# Altium PCB Copy of pcb-4layer-1oz-1.6mm.PcbDoc (part 1 of 3) (continued)
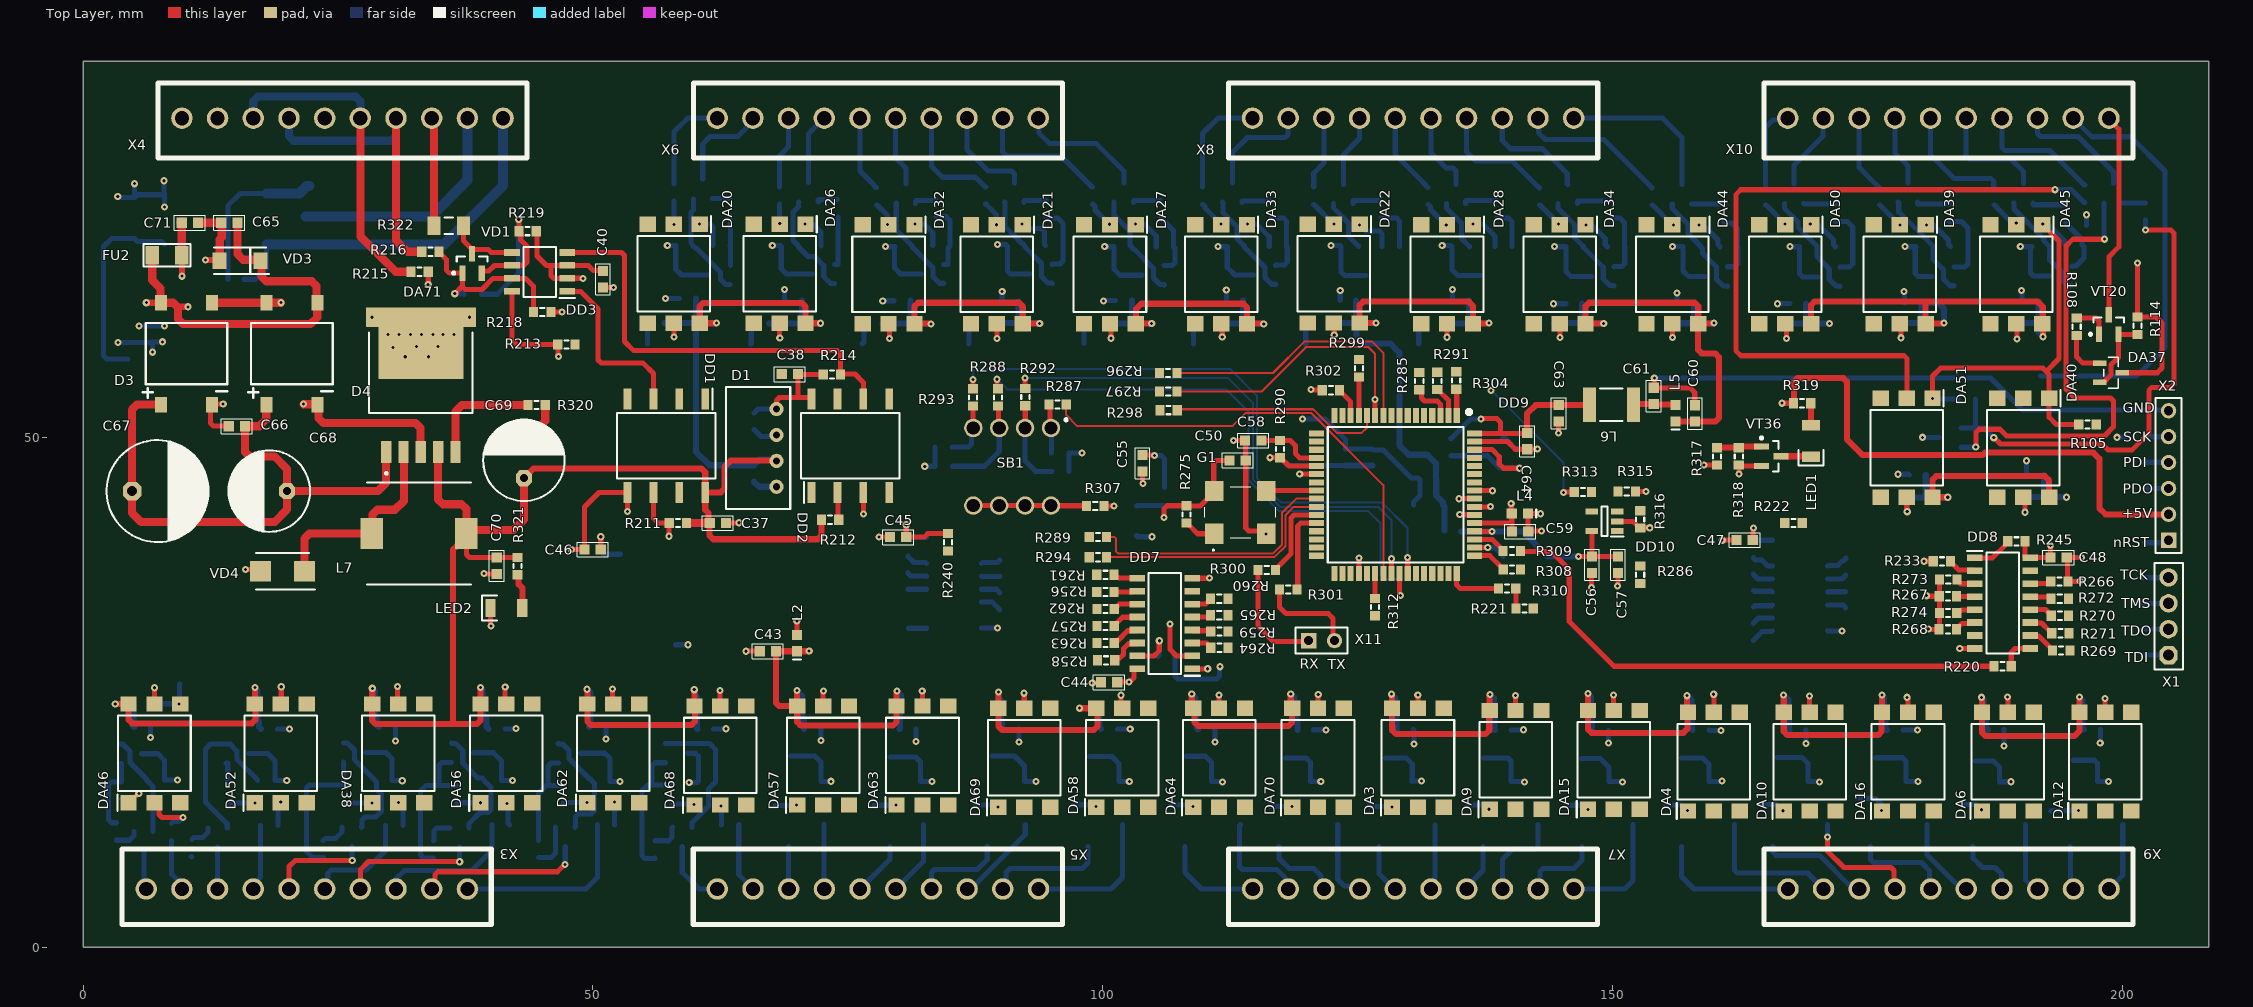
[diagram p0: Top Layer view]
## Components (designator, comment, footprint, x,y, rotation, side; value= is the part's Value field where it differs from the comment) (continued)
DA37 "TL431ACDBZR" SOT95P237X112-3N 198.891,56.334 r0 top
DA38 "H11L1SM" SOP254P1030X460-6N 30.908,19 r90 top
DA39 "H11L1SM" SOP254P1030X460-6N 178.178,66 r270 top
DA40 "H11L1SM" SOP254P1030X460-6N 190.29,48.966 r270 top
DA41 "TL431ACDBZR" SOT95P237X112-3N 160.187,65.755 r180 bottom
DA42 "TL431ACDBZR" SOT95P237X112-3N 193.965,65.822 r180 bottom
DA43 "TL431ACDBZR" SOT95P237X112-3N 4.643,18.961 r0 bottom
DA44 "H11L1SM" SOP254P1030X460-6N 155.877,66 r270 top
DA45 "H11L1SM" SOP254P1030X460-6N 189.615,66 r270 top
DA46 "H11L1SM" SOP254P1030X460-6N 7,19 r90 top
DA47 "TL431ACDBZR" SOT95P237X112-3N 171.233,65.741 r180 bottom
DA48 "TL431ACDBZR" SOT95P237X112-3N 183.113,49.968 r180 bottom
DA49 "TL431ACDBZR" SOT95P237X112-3N 15.115,18.972 r0 bottom
DA50 "H11L1SM" SOP254P1030X460-6N 166.941,66 r270 top
DA51 "H11L1SM" SOP254P1030X460-6N 178.847,48.966 r270 top
DA52 "H11L1SM" SOP254P1030X460-6N 19.386,19 r90 top
DA53 "TL431ACDBZR" SOT95P237X112-3N 37.225,19.058 r0 bottom
DA54 "TL431ACDBZR" SOT95P237X112-3N 68.284,18.731 r0 bottom
DA55 "TL431ACDBZR" SOT95P237X112-3N 97.632,18.682 r0 bottom
DA56 "H11L1SM" SOP254P1030X460-6N 41.516,19 r90 top
DA57 "H11L1SM" SOP254P1030X460-6N 72.583,18.794 r90 top
DA58 "H11L1SM" SOP254P1030X460-6N 101.918,18.578 r90 top
DA59 "TL431ACDBZR" SOT95P237X112-3N 47.695,19.015 r0 bottom
DA60 "TL431ACDBZR" SOT95P237X112-3N 78.063,18.66 r0 bottom
DA61 "TL431ACDBZR" SOT95P237X112-3N 107.133,18.714 r0 bottom
DA62 "H11L1SM" SOP254P1030X460-6N 52,19 r90 top
DA63 "H11L1SM" SOP254P1030X460-6N 82.329,18.794 r90 top
DA64 "H11L1SM" SOP254P1030X460-6N 111.417,18.578 r90 top
DA65 "TL431ACDBZR" SOT95P237X112-3N 58.199,19.021 r0 bottom
DA66 "TL431ACDBZR" SOT95P237X112-3N 88.06,18.737 r0 bottom
DA67 "TL431ACDBZR" SOT95P237X112-3N 116.861,18.554 r0 bottom
DA68 "H11L1SM" SOP254P1030X460-6N 62.502,18.794 r90 top
DA69 "H11L1SM" SOP254P1030X460-6N 92.311,18.578 r90 top
DA70 "H11L1SM" SOP254P1030X460-6N 121.12,18.578 r90 top
DA71 "LM2596S-5.0" KTT0005B 33.126,61.022 r270 top
DD1 "6N137SDM" SOP254P1030X508-8N 57.212,49.173 r270 top
DD2 "6N137SDM" SOP254P1030X508-8N 75.258,49.173 r90 top
DD3 "MAX13487EESA+" SOIC127P600X175-8N 44.778,66.221 r180 top
DD4 "74HC165D_BJ_" SOIC127P600X175-16N 85.421,35.732 r180 bottom
DD5 "74HC165D_BJ_" SOIC127P600X175-16N 168.394,35.459 r180 bottom
DD6 "74HC165D_BJ_" SOIC127P600X175-16N 55.402,34.088 r180 bottom
DD7 "74HC165D_BJ_" SOIC127P600X175-16N 106.093,31.735 r180 top
DD8 "74HC165D_BJ_" SOIC127P600X175-16N 188.262,33.735 r0 top
DD9 "ATMEGA64A-AU" QFP80P1600X1600X120-64N 128.725,44.382 r270 top
DD10 "STWD100NYWY3F" SOT95P280X145-5N 149.208,41.759 r180 top
FU1 ", 13, 0.75A, 1206," "FUSE: 1206" 22.202,73.189 r90 bottom
FU2 ", 13, 2.5A, 1206," "FUSE: 1206" 8.228,67.838 r180 top
G1 "16MGh" CSX750FBC14745600T 113.499,42.635 r0 top
L1 "BLM18PG330SN1D" INDC1608N 4.405,58.494 r90 bottom value="33 Ohm"
L2 "BLM18PG330SN1D" INDC1608N 70.03,29.82 r90 top value="33 Ohm"
L3 "BLM18PG330SN1D" INDC1608N 134.354,40.759 r0 bottom value="33 Ohm"
L4 "BLM18PG330SN1D" INDC1608N 140.925,42.535 r180 top value="33 Ohm"
L5 "BLM18PG330SN1D" INDC1608N 156.189,52.355 r90 top value="33 Ohm"
L6 "L1812" INDC4532AN 149.902,53.197 r180 top value=10mk
L7 "Fixed inductor, 33μH, ±20%, CDRH104RNP-330NC, 2.2A, -55...+125°C" INDPM102100X400N 32.948,40.559 r180 top value=33μH
LED1 "LTST-C150KSKT" LEDC3216X110N 169.458,49.636 r90 top
LED2 "LTST-C150KSKT" LEDC3216X110N 41.516,33.265 r0 top
R1 "R0603" RESC1608N 126.14,14.766 r270 bottom value=1k
R2 "R0603" RESC1608N 155.218,14.78 r270 bottom value=1k
R3 "R0603" RESC1608N 124.568,9.648 r270 bottom value=22
R4 "R0603" RESC1608N 154.207,9.588 r90 bottom value=22
R5 "R0603" RESC1608N 184.178,14.825 r270 bottom value=1k
R6 "R0603" RESC1608N 131.729,12.003 r0 bottom value=22
R7 "R0603" RESC1608N 161.103,12.003 r0 bottom value=22
R8 "R0603" RESC1608N 182.8,9.617 r90 bottom value=22
R9 "R0603" RESC1608N 129.515,16.225 r180 bottom value=150
R10 "R0603" RESC1608N 158.608,16.225 r180 bottom value=150
R11 "R0603" RESC1608N 129.515,23.438 r180 bottom value=10k
R12 "R0603" RESC1608N 158.608,23.27 r180 bottom value=10k
R13 "R0603" RESC1608N 189.644,12.003 r0 bottom value=22
R14 "R0603" RESC1608N 187.122,16.225 r180 bottom value=150
R15 "R0603" RESC1608N 163.339,25.806 r0 bottom value=22
R16 "R0603" RESC1608N 134.354,25.806 r0 bottom value=22
R17 "R0603" RESC1608N 187.335,23.27 r180 bottom value=10k
R18 "R0603" RESC1608N 135.759,14.794 r270 bottom value=1k
R19 "R0603" RESC1608N 164.631,14.821 r270 bottom value=1k
R20 "R0603" RESC1608N 192.176,25.806 r0 bottom value=22
R21 "R0603" RESC1608N 134.782,9.63 r90 bottom value=22
R22 "R0603" RESC1608N 163.213,9.587 r90 bottom value=22
R23 "R0603" RESC1608N 141.859,12.003 r0 bottom value=22
R24 "R0603" RESC1608N 170.231,12.019 r0 bottom value=22
R25 "R0603" RESC1608N 139.207,16.225 r180 bottom value=150
R26 "R0603" RESC1608N 168.312,16.225 r180 bottom value=150
R27 "R0603" RESC1608N 192.977,14.182 r270 bottom value=1k
R28 "R0603" RESC1608N 139.207,23.27 r180 bottom value=10k
R29 "R0603" RESC1608N 168.144,23.27 r180 bottom value=10k
R30 "R0603" RESC1608N 192.218,9.632 r90 bottom value=22
R31 "R0603" RESC1608N 143.861,25.806 r0 bottom value=22
R32 "R0603" RESC1608N 172.708,25.806 r0 bottom value=22
R33 "R0603" RESC1608N 199.201,12.003 r0 bottom value=22
R34 "R0603" RESC1608N 196.702,16.225 r180 bottom value=150
R35 "R0603" RESC1608N 145.411,14.759 r270 bottom value=1k
R36 "R0603" RESC1608N 174.299,15.42 r270 bottom value=1k
R37 "R0603" RESC1608N 144.469,9.601 r90 bottom value=22
R38 "R0603" RESC1608N 172.806,9.595 r90 bottom value=22
R39 "R0603" RESC1608N 196.925,23.27 r180 bottom value=10k
R40 "R0603" RESC1608N 201.709,25.806 r0 bottom value=22
R41 "R0603" RESC1608N 151.183,12.003 r0 bottom value=22
R42 "R0603" RESC1608N 180.024,12.003 r0 bottom value=22
R43 "R0603" RESC1608N 148.796,16.225 r180 bottom value=150
R44 "R0603" RESC1608N 177.945,16.225 r180 bottom value=150
R45 "R0603" RESC1608N 177.47,23.27 r180 bottom value=10k
R46 "R0603" RESC1608N 148.796,23.27 r180 bottom value=10k
R47 "R0603" RESC1608N 182.349,25.806 r0 bottom value=22
R48 "R0603" RESC1608N 153.518,25.806 r0 bottom value=22
R49 "R0603" RESC1608N 62.626,68.821 r180 bottom value=1k
R50 "R0603" RESC1608N 95.262,68.814 r180 bottom value=1k
R51 "R0603" RESC1608N 128.25,68.697 r180 bottom value=1k
R52 "R0603" RESC1608N 63.506,72.571 r90 bottom value=22
R53 "R0603" RESC1608N 94.484,72.371 r90 bottom value=22
R54 "R0603" RESC1608N 127.313,72.371 r90 bottom value=22
R55 "R0603" RESC1608N 57.938,74 r90 bottom value=22
R56 "R0603" RESC1608N 88.529,73.702 r90 bottom value=22
R57 "R0603" RESC1608N 120.687,73.68 r90 bottom value=22
R58 "R0603" RESC1608N 58.982,68.814 r0 bottom value=150
R59 "R0603" RESC1608N 91.5,68.745 r0 bottom value=150
R60 "R0603" RESC1608N 124.225,68.704 r0 bottom value=150
R61 "R0603" RESC1608N 88.351,61.194 r0 bottom value=10k
R62 "R0603" RESC1608N 56.187,61.183 r0 bottom value=10k
R63 "R0603" RESC1608N 121.312,61.208 r0 bottom value=10k
R64 "R0603" RESC1608N 56.19,59.155 r0 bottom value=22
R65 "R0603" RESC1608N 87.729,59.155 r0 bottom value=22
R66 "R0603" RESC1608N 120.766,59.155 r0 bottom value=22
R67 "R0603" RESC1608N 73.21,68.745 r180 bottom value=1k
R68 "R0603" RESC1608N 106.106,68.687 r180 bottom value=1k
R69 "R0603" RESC1608N 139.315,68.704 r180 bottom value=1k
R70 "R0603" RESC1608N 74.033,72.474 r90 bottom value=22
R71 "R0603" RESC1608N 105.669,72.371 r90 bottom value=22
R72 "R0603" RESC1608N 138.626,72.371 r90 bottom value=22
R73 "R0603" RESC1608N 68.319,73.702 r90 bottom value=22
R74 "R0603" RESC1608N 99.005,73.702 r90 bottom value=22
R75 "R0603" RESC1608N 69.327,68.706 r0 bottom value=150
R76 "R0603" RESC1608N 101.976,68.687 r0 bottom value=150
R77 "R0603" RESC1608N 131.908,73.667 r90 bottom value=22
R78 "R0603" RESC1608N 135.113,68.687 r0 bottom value=150
R79 "R0603" RESC1608N 66.428,61.175 r0 bottom value=10k
R80 "R0603" RESC1608N 99.418,61.159 r0 bottom value=10k
R81 "R0603" RESC1608N 132.416,61.146 r0 bottom value=10k
R82 "R0603" RESC1608N 66.331,59.155 r0 bottom value=22
R83 "R0603" RESC1608N 99.005,59.155 r0 bottom value=22
R84 "R0603" RESC1608N 131.808,59.155 r0 bottom value=22
R85 "R0603" RESC1608N 84.189,68.814 r180 bottom value=1k
R86 "R0603" RESC1608N 117.192,68.704 r180 bottom value=1k
R87 "R0603" RESC1608N 150.334,68.687 r180 bottom value=1k
R88 "R0603" RESC1608N 83.658,72.481 r90 bottom value=22
R89 "R0603" RESC1608N 116.52,72.341 r90 bottom value=22
R90 "R0603" RESC1608N 149.91,72.371 r90 bottom value=22
R91 "R0603" RESC1608N 77.827,73.642 r90 bottom value=22
R92 "R0603" RESC1608N 109.802,73.681 r90 bottom value=22
R93 "R0603" RESC1608N 142.85,73.627 r90 bottom value=22
R94 "R0603" RESC1608N 80.493,68.687 r0 bottom value=150
R95 "R0603" RESC1608N 113.073,68.687 r0 bottom value=150
R96 "R0603" RESC1608N 146.284,68.687 r0 bottom value=150
R97 "R0603" RESC1608N 110.267,61.174 r0 bottom value=10k
R98 "R0603" RESC1608N 143.4,61.224 r0 bottom value=10k
R99 "R0603" RESC1608N 77.58,61.157 r0 bottom value=10k
R100 "R0603" RESC1608N 109.75,59.155 r0 bottom value=22
R101 "R0603" RESC1608N 142.615,59.155 r0 bottom value=22
R102 "R0603" RESC1608N 77.239,59.155 r0 bottom value=22
R103 "R0603" RESC1608N 25.748,15.011 r270 bottom value=1k
R104 "R0603" RESC1608N 184.018,68.703 r180 bottom value=1k
R105 "R0603" RESC1608N 196.59,51.264 r180 top value=1k
R106 "R0603" RESC1608N 23.558,9.615 r90 bottom value=22
R107 "R0603" RESC1608N 183.057,72.022 r90 bottom value=22
R108 "R0603" RESC1608N 195.528,60.843 r90 top value=22
R109 "R0603" RESC1608N 30.523,11.938 r180 bottom value=22
R110 "R0603" RESC1608N 176.175,73.627 r90 bottom value=22
R111 "R0603" RESC1608N 191.118,56.022 r0 bottom value=22
R112 "R0603" RESC1608N 29.468,16.331 r180 bottom value=150
R113 "R0603" RESC1608N 180.615,68.687 r0 bottom value=150
R114 "R0603" RESC1608N 201.479,60.936 r270 top value=150
R115 "R0603" RESC1608N 29.468,23.869 r180 bottom value=10k
R116 "R0603" RESC1608N 176.975,61.197 r0 bottom value=10k
R117 "R0603" RESC1608N 188.906,44.153 r0 bottom value=10k
R118 "R0603" RESC1608N 34.271,25.806 r0 bottom value=22
R119 "R0603" RESC1608N 176.462,59.155 r0 bottom value=22
R120 "R0603" RESC1608N 188.488,42.096 r0 bottom value=22
R121 "R0603" RESC1608N 161.404,68.692 r180 bottom value=1k
R122 "R0603" RESC1608N 195.402,68.691 r180 bottom value=1k
R123 "R0603" RESC1608N 3.765,15.36 r270 bottom value=1k
R124 "R0603" RESC1608N 160.916,72.022 r90 bottom value=22
R125 "R0603" RESC1608N 194.423,71.894 r90 bottom value=22
R126 "R0603" RESC1608N 3.291,11.325 r270 bottom value=22
R127 "R0603" RESC1608N 153.896,73.627 r90 bottom value=22
R128 "R0603" RESC1608N 187.438,73.627 r90 bottom value=22
R129 "R0603" RESC1608N 157.776,68.704 r0 bottom value=150
R130 "R0603" RESC1608N 192,68.687 r0 bottom value=150
R131 "R0603" RESC1608N 8.689,11.292 r270 bottom value=22
R132 "R0603" RESC1608N 7.119,16.388 r180 bottom value=150
R133 "R0603" RESC1608N 188.238,61.192 r0 bottom value=10k
R134 "R0603" RESC1608N 154.554,61.169 r0 bottom value=10k
R135 "R0603" RESC1608N 5.672,23.869 r180 bottom value=10k
R136 "R0603" RESC1608N 154.109,59.155 r0 bottom value=22
R137 "R0603" RESC1608N 187.873,59.155 r0 bottom value=22
R138 "R0603" RESC1608N 10.34,25.806 r0 bottom value=22
R139 "R0603" RESC1608N 172.72,68.691 r180 bottom value=1k
R140 "R0603" RESC1608N 184.751,53.747 r180 bottom value=1k
R141 "R0603" RESC1608N 14.187,15.011 r270 bottom value=1k
R142 "R0603" RESC1608N 171.886,72.022 r90 bottom value=22
R143 "R0603" RESC1608N 202.292,72.148 r90 bottom value=22
R144 "R0603" RESC1608N 10.667,9.693 r90 bottom value=22
R145 "R0603" RESC1608N 165.024,73.627 r90 bottom value=22
R146 "R0603" RESC1608N 196.323,73.887 r90 bottom value=22
R147 "R0603" RESC1608N 18.256,11.938 r180 bottom value=22
R148 "R0603" RESC1608N 169.208,68.687 r0 bottom value=150
R149 "R0603" RESC1608N 197.345,70.795 r0 bottom value=150
R150 "R0603" RESC1608N 17.976,16.331 r180 bottom value=150
R151 "R0603" RESC1608N 165.685,61.176 r0 bottom value=10k
R152 "R0603" RESC1608N 177.47,44.102 r0 bottom value=10k
R153 "R0603" RESC1608N 17.976,23.869 r180 bottom value=10k
R154 "R0603" RESC1608N 165.253,59.155 r0 bottom value=22
R155 "R0603" RESC1608N 177.121,42.096 r0 bottom value=22
R156 "R0603" RESC1608N 22.827,25.806 r0 bottom value=22
R157 "R0603" RESC1608N 36.689,15.011 r270 bottom value=1k
R158 "R0603" RESC1608N 67.844,14.744 r270 bottom value=1k
R159 "R0603" RESC1608N 97.2,14.815 r270 bottom value=1k
R160 "R0603" RESC1608N 34.377,9.596 r90 bottom value=22
R161 "R0603" RESC1608N 66.373,9.659 r90 bottom value=22
R162 "R0603" RESC1608N 95.991,9.713 r90 bottom value=22
R163 "R0603" RESC1608N 40.956,12.003 r180 bottom value=22
R164 "R0603" RESC1608N 73.506,12.003 r180 bottom value=22
R165 "R0603" RESC1608N 102.788,12.003 r180 bottom value=22
R166 "R0603" RESC1608N 40.208,16.331 r180 bottom value=150
R167 "R0603" RESC1608N 71.506,16.225 r180 bottom value=150
R168 "R0603" RESC1608N 100.764,16.225 r180 bottom value=150
R169 "R0603" RESC1608N 39.958,23.869 r180 bottom value=10k
R170 "R0603" RESC1608N 71.297,23.653 r180 bottom value=10k
R171 "R0603" RESC1608N 100.45,23.438 r180 bottom value=10k
R172 "R0603" RESC1608N 75.849,25.806 r0 bottom value=22
R173 "R0603" RESC1608N 44.873,25.806 r0 bottom value=22
R174 "R0603" RESC1608N 105.219,25.806 r0 bottom value=22
R175 "R0603" RESC1608N 47.123,15.011 r270 bottom value=1k
R176 "R0603" RESC1608N 77.574,14.751 r270 bottom value=1k
R177 "R0603" RESC1608N 106.681,14.79 r270 bottom value=1k
R178 "R0603" RESC1608N 44.668,9.632 r270 bottom value=22
R179 "R0603" RESC1608N 76.584,9.655 r90 bottom value=22
R180 "R0603" RESC1608N 105.551,9.687 r90 bottom value=22
R181 "R0603" RESC1608N 51.285,12.003 r180 bottom value=22
R182 "R0603" RESC1608N 83.271,12.003 r180 bottom value=22
R183 "R0603" RESC1608N 50.812,16.225 r180 bottom value=150
R184 "R0603" RESC1608N 81.293,16.225 r180 bottom value=150
R185 "R0603" RESC1608N 112.684,12.003 r0 bottom value=22
R186 "R0603" RESC1608N 109.819,16.225 r180 bottom value=150
R187 "R0603" RESC1608N 50.629,23.869 r180 bottom value=10k
R188 "R0603" RESC1608N 81.026,23.653 r180 bottom value=10k
R189 "R0603" RESC1608N 110,23.438 r180 bottom value=10k
R190 "R0603" RESC1608N 55.37,25.806 r0 bottom value=22
R191 "R0603" RESC1608N 85.828,25.806 r0 bottom value=22
R192 "R0603" RESC1608N 114.773,25.806 r0 bottom value=22
R193 "R0603" RESC1608N 57.762,15.011 r270 bottom value=1k
R194 "R0603" RESC1608N 87.416,14.786 r270 bottom value=1k
R195 "R0603" RESC1608N 116.366,14.782 r270 bottom value=1k
R196 "R0603" RESC1608N 56.113,9.577 r90 bottom value=22
R197 "R0603" RESC1608N 85.944,9.632 r90 bottom value=22
R198 "R0603" RESC1608N 114.712,9.738 r90 bottom value=22
R199 "R0603" RESC1608N 63.454,12.003 r0 bottom value=22
R200 "R0603" RESC1608N 93.29,12.003 r180 bottom value=22
R201 "R0603" RESC1608N 122.209,12.003 r0 bottom value=22
R202 "R0603" RESC1608N 61.194,16.225 r0 bottom value=150
R203 "R0603" RESC1608N 91.485,16.225 r180 bottom value=150
R204 "R0603" RESC1608N 119.514,16.225 r180 bottom value=150
R205 "R0603" RESC1608N 61.056,23.653 r180 bottom value=10k
R206 "R0603" RESC1608N 119.811,23.438 r180 bottom value=10k
R207 "R0603" RESC1608N 90.882,23.438 r180 bottom value=10k
R208 "R0603" RESC1608N 65.794,25.806 r0 bottom value=22
R209 "R0603" RESC1608N 95.57,25.806 r0 bottom value=22
R210 "R0603" RESC1608N 124.563,25.806 r0 bottom value=22
R211 "R0603" RESC1608N 58.345,41.587 r0 top value=120R
R212 "R0603" RESC1608N 73.261,41.918 r180 top value=360R
R213 "R0603" RESC1608N 47.406,59.099 r180 top value=360R
R214 "R0603" RESC1608N 73.45,56.145 r180 top value=120R
R215 "R0603" RESC1608N 33.009,66.234 r0 top value=10R
R216 "R0603" RESC1608N 34.074,68.196 r0 top value=10R
R217 "R0603" RESC1608N 38.223,64.027 r180 bottom value=120R
R218 "R0603" RESC1608N 45.034,62.287 r180 top value=4.7K
R219 "R0603" RESC1608N 43.602,70.217 r0 top value=4.7K
R220 "R0603" RESC1608N 188.258,27.547 r0 top value=22
R221 "R0603" RESC1608N 141.379,33.214 r0 top value=22
R222 "R0603" RESC1608N 167.756,41.588 r0 top value=22
R223 "R0603" RESC1608N 80.083,35.09 r180 bottom value=22
R224 "R0603" RESC1608N 90.765,36.339 r0 bottom value=22
R225 "R0603" RESC1608N 90.751,33.055 r0 bottom value=22
R226 "R0603" RESC1608N 80.094,31.256 r180 bottom value=22
R227 "R0603" RESC1608N 80.073,38.339 r180 bottom value=22
R228 "R0603" RESC1608N 106.254,28.511 r180 bottom value=22
R229 "R0603" RESC1608N 80.078,33.446 r180 bottom value=22
R230 "R0603" RESC1608N 80.064,36.717 r180 bottom value=22
R231 "R0603" RESC1608N 90.757,37.954 r0 bottom value=22
R232 "R0603" RESC1608N 90.755,34.717 r0 bottom value=22
R233 "R0603" RESC1608N 182.31,37.836 r180 top value=10k
R234 "R0603" RESC1608N 162.993,31.747 r180 bottom value=22
R235 "R0603" RESC1608N 162.976,34.986 r180 bottom value=22
R236 "R0603" RESC1608N 162.964,38.213 r180 bottom value=22
R237 "R0603" RESC1608N 173.715,36.502 r0 bottom value=22
R238 "R0603" RESC1608N 173.72,33.267 r0 bottom value=22
R239 "R0603" RESC1608N 162.999,30.062 r180 bottom value=22
R240 "R0603" RESC1608N 84.83,39.702 r90 top value=10k
R241 "R0603" RESC1608N 162.98,36.597 r180 bottom value=22
R242 "R0603" RESC1608N 173.725,38.136 r0 bottom value=22
R243 "R0603" RESC1608N 173.72,34.877 r0 bottom value=22
R244 "R0603" RESC1608N 162.972,33.372 r180 bottom value=22
R245 "R0603" RESC1608N 189.612,39.797 r0 top value=10k
R246 "R0603" RESC1608N 50.022,30.62 r180 bottom value=22
R247 "R0603" RESC1608N 50.011,33.863 r180 bottom value=22
R248 "R0603" RESC1608N 49.976,37.135 r180 bottom value=22
R249 "R0603" RESC1608N 60.732,34.923 r0 bottom value=22
R250 "R0603" RESC1608N 60.737,31.699 r0 bottom value=22
R251 "R0603" RESC1608N 50.034,29.008 r180 bottom value=22
R252 "R0603" RESC1608N 50.018,32.235 r180 bottom value=22
R253 "R0603" RESC1608N 49.972,35.513 r180 bottom value=22
R254 "R0603" RESC1608N 60.747,36.541 r0 bottom value=22
R255 "R0603" RESC1608N 60.746,33.299 r0 bottom value=22
R256 "R0603" RESC1608N 100.266,34.834 r180 top value=22
R257 "R0603" RESC1608N 100.286,31.503 r180 top value=22
R258 "R0603" RESC1608N 100.338,28.125 r180 top value=22
R259 "R0603" RESC1608N 111.447,30.961 r0 top value=22
R260 "R0603" RESC1608N 111.43,34.16 r0 top value=22
R261 "R0603" RESC1608N 100.266,36.51 r180 top value=22
R262 "R0603" RESC1608N 100.286,33.158 r180 top value=22
R263 "R0603" RESC1608N 100.288,29.827 r180 top value=22
R264 "R0603" RESC1608N 111.448,29.364 r0 top value=22
R265 "R0603" RESC1608N 111.436,32.552 r0 top value=22
R266 "R0603" RESC1608N 193.836,35.871 r0 top value=10k
R267 "R0603" RESC1608N 182.895,34.406 r180 top value=10k
R268 "R0603" RESC1608N 182.89,31.165 r180 top value=10k
R269 "R0603" RESC1608N 194.009,29.078 r0 top value=22
R270 "R0603" RESC1608N 193.89,32.501 r0 top value=22
R271 "R0603" RESC1608N 193.933,30.779 r0 top value=22
R272 "R0603" RESC1608N 193.868,34.17 r0 top value=22
R273 "R0603" RESC1608N 182.929,36.041 r180 top value=10k
R274 "R0603" RESC1608N 182.909,32.778 r180 top value=10k
R275 "R0603" RESC1608N 108.232,42.429 r90 top value=10k
R276 "R0603" RESC1608N 106.019,44.177 r90 bottom value=100
R277 "R0603" RESC1608N 201.127,33.719 r0 bottom value=10R
R278 "R0603" RESC1608N 201.127,28.62 r0 bottom value=10R
R279 "R0603" RESC1608N 201.127,31.193 r0 bottom value=10R
R280 "R0603" RESC1608N 201.127,36.189 r0 bottom value=10R
R281 "R0603" RESC1608N 201.394,45.01 r0 bottom value=10R
R282 "R0603" RESC1608N 201.394,50.046 r0 bottom value=10R
R283 "R0603" RESC1608N 201.394,39.654 r0 bottom value=10R
R284 "R0603" RESC1608N 201.394,47.584 r0 bottom value=10R
R285 "R0603" RESC1608N 131.051,55.509 r90 top value=10R
R286 "R0603" RESC1608N 152.718,36.519 r270 top value=NC
R287 "R0603" RESC1608N 95.571,53.226 r0 top value=10R
R288 "R0603" RESC1608N 89.725,53.908 r90 top value=10R
R289 "R0603" RESC1608N 99.533,40.207 r0 top value=NC
R290 "R0603" RESC1608N 117.4,48.847 r270 top value=10k
R291 "R0603" RESC1608N 132.813,55.527 r90 top value=10R
R292 "R0603" RESC1608N 92.415,53.94 r90 top value=10R
R293 "R0603" RESC1608N 87.274,53.915 r90 top value=10R
R294 "R0603" RESC1608N 99.538,38.238 r0 top value=NC
R295 "R0603" RESC1608N 84.397,49.051 r0 bottom value=10k
R296 "R0603" RESC1608N 106.425,56.309 r0 top value=NC
R297 "R0603" RESC1608N 106.428,54.49 r0 top value=NC
R298 "R0603" RESC1608N 106.469,52.66 r0 top value=NC
R299 "R0603" RESC1608N 125.126,56.777 r270 top value=NC
R300 "R0603" RESC1608N 116.088,36.994 r180 top value=10R
R301 "R0603" RESC1608N 118.196,35.068 r180 top value=10R
R302 "R0603" RESC1608N 122.392,54.618 r180 top value=10R
R303 "R0603" RESC1608N 84.417,47.157 r0 bottom value=10k
R304 "R0603" RESC1608N 134.671,55.57 r270 top value=NC
R305 "R0603" RESC1608N 95.857,46.656 r180 bottom value=10k
R306 "R0603" RESC1608N 95.842,48.46 r180 bottom value=10k
R307 "R0603" RESC1608N 99.276,43.267 r180 top value=100k
R308 "R0603" RESC1608N 140.136,37.022 r180 top value=10R
R309 "R0603" RESC1608N 140.128,38.86 r180 top value=10R
R310 "R0603" RESC1608N 139.661,35.185 r180 top value=10R
R311 "R0603" RESC1608N 140.128,38.296 r180 bottom value=10R
R312 "R0603" RESC1608N 126.704,33.345 r90 top value=10R
R313 "R0603" RESC1608N 147.101,44.632 r180 top value=10R
R314 "R0603" RESC1608N 134.138,49.036 r90 bottom value=100
R315 "R0603" RESC1608N 151.402,44.689 r0 top value=NC
R316 "R0603" RESC1608N 152.718,41.95 r90 top value=100k
R317 "R0603" RESC1608N 160.252,48.132 r90 top value=1.5k
R318 "R0603" RESC1608N 162.392,48.132 r90 top value=100k
R319 "R0603" RESC1608N 168.605,53.337 r180 top value=470
R320 "R0603" RESC1608N 44.483,53.176 r0 top value=100k
R321 "R0603" RESC1608N 42.619,37.376 r90 top value=470
R322 "R1206" RESC3216N 35.868,70.755 r180 top value=100
SB1 "DS1040-04RN" Dip_4pin 94.932,50.92 r180 top
VD1 "SM712" SOT23-3N 38.151,67.049 r90 top
VD2 "SMAJ33A-TR" SM4T82AY 5.052,71.499 r90 bottom
VD3 "SMAJ33A-TR" SM4T82AY 15.397,67.313 r180 top
VD4 "SK34B" DIOM5236X261N 19.57,36.865 r180 top
VT1 "BC847" SOT23-3N 127.117,10.803 r270 bottom value=0.1A
VT2 "BC847" SOT23-3N 156.77,10.803 r270 bottom value=0.1A
VT3 "BC847" SOT23-3N 185.339,10.819 r270 bottom value=0.1A
VT4 "BC847" SOT23-3N 137.31,10.803 r270 bottom value=0.1A
VT5 "BC847" SOT23-3N 165.722,10.803 r270 bottom value=0.1A
VT6 "BC847" SOT23-3N 194.883,10.803 r270 bottom value=0.1A
VT7 "BC847" SOT23-3N 146.996,10.803 r270 bottom value=0.1A
VT8 "BC847" SOT23-3N 175.308,10.803 r270 bottom value=0.1A
VT9 "BC847" SOT23-3N 60.773,74.367 r90 bottom value=0.1A
VT10 "BC847" SOT23-3N 91.348,74.002 r90 bottom value=0.1A
VT11 "BC847" SOT23-3N 123.609,73.87 r90 bottom value=0.1A
VT12 "BC847" SOT23-3N 71.15,74.035 r90 bottom value=0.1A
VT13 "BC847" SOT23-3N 102.076,74.005 r90 bottom value=0.1A
VT14 "BC847" SOT23-3N 134.663,73.87 r90 bottom value=0.1A
VT15 "BC847" SOT23-3N 80.708,73.909 r90 bottom value=0.1A
VT16 "BC847" SOT23-3N 112.72,74.002 r90 bottom value=0.1A
VT17 "BC847" SOT23-3N 145.616,73.87 r90 bottom value=0.1A
VT18 "BC847" SOT23-3N 26.361,10.803 r270 bottom value=0.1A
VT19 "BC847" SOT23-3N 178.979,74.019 r90 bottom value=0.1A
VT20 "BC847" SOT23-3N 198.68,61.056 r90 top value=0.1A
VT21 "BC847" SOT23-3N 156.817,73.834 r90 bottom value=0.1A
VT22 "BC847" SOT23-3N 190.29,73.926 r90 bottom value=0.1A
VT23 "BC847" SOT23-3N 5.926,10.387 r270 bottom value=0.1A
VT24 "BC847" SOT23-3N 167.808,73.876 r90 bottom value=0.1A
VT25 "BC847" SOT23-3N 199.139,73.928 r90 bottom value=0.1A
VT26 "BC847" SOT23-3N 13.187,10.738 r270 bottom value=0.1A
VT27 "BC847" SOT23-3N 36.917,10.738 r270 bottom value=0.1A
VT28 "BC847" SOT23-3N 69.185,10.803 r270 bottom value=0.1A
VT29 "BC847" SOT23-3N 98.545,10.803 r270 bottom value=0.1A
VT30 "BC847" SOT23-3N 47.288,10.803 r270 bottom value=0.1A
VT31 "BC847" SOT23-3N 79.135,10.803 r270 bottom value=0.1A
VT32 "BC847" SOT23-3N 108.085,10.803 r270 bottom value=0.1A
VT33 "BC847" SOT23-3N 58.766,10.803 r270 bottom value=0.1A
VT34 "BC847" SOT23-3N 88.677,10.803 r270 bottom value=0.1A
VT35 "BC847" SOT23-3N 117.268,10.803 r270 bottom value=0.1A
VT36 "BC847" SOT23-3N 165.57,48.141 r0 top value=0.1A
X1 "Connector, 4pin, 2.54mm, 500VAC, 3A" "CON: PBS-4" 204.541,32.449 r90 top
X2 "HDR1X6" HDR1X6 204.546,39.904 r90 top
X3 "Terminal connector, 6pin, 3.5mm, 300VAC, 10A" "CON: 15EDGVC-3.5-10P-14-00AH" 21.937,5.7 r180 top
X4 "Terminal connector, 6pin, 3.5mm, 300VAC, 10A" "CON: 15EDGVC-3.5-10P-14-00AH" 25.45,81.3 r0 top
X5 "Terminal connector, 6pin, 3.5mm, 300VAC, 10A" "CON: 15EDGVC-3.5-10P-14-00AH" 77.95,5.7 r180 top
X6 "Terminal connector, 6pin, 3.5mm, 300VAC, 10A" "CON: 15EDGVC-3.5-10P-14-00AH" 77.95,81.3 r0 top
X7 "Terminal connector, 6pin, 3.5mm, 300VAC, 10A" "CON: 15EDGVC-3.5-10P-14-00AH" 130.45,5.7 r180 top
X8 "Terminal connector, 6pin, 3.5mm, 300VAC, 10A" "CON: 15EDGVC-3.5-10P-14-00AH" 130.45,81.3 r0 top
X9 "Terminal connector, 6pin, 3.5mm, 300VAC, 10A" "CON: 15EDGVC-3.5-10P-14-00AH" 182.95,5.7 r180 top
X10 "Terminal connector, 6pin, 3.5mm, 300VAC, 10A" "CON: 15EDGVC-3.5-10P-14-00AH" 182.95,81.3 r0 top
X11 "HDR1X2" HDR1X2 120.198,30.056 r0 top

## Footprints (in the part's own frame and the unit in brackets; to place one, negate y for a bottom-side part, rotate by r counter-clockwise, add the part's x,y. Pads: shape width x height; smd on the part's side, far side on the other; paste and mask are expansions set on the pad)
C0603 [mm] "Chip Capacitor, Body 1.6x0.8mm, IPC Medium Density"
  rect 1x1 smd: 1(-0.8,0) 2(0.8,0)
  silkscreen extent -1.53,-0.72 1.53,0.72, body extent -0.8,-0.4 0.8,0.4, height 0.3
C1206 [mm] "Chip Capacitor, Body 3.2x1.6mm, IPC Medium Density"
  rect 1.3x1.8 smd: 1(-1.45,0) 2(1.45,0)
  silkscreen extent -0.4,-0.8 0.4,0.8, body extent -1.6,-0.8 1.6,0.8, height 1
"CAP: D8C3.5H12" [mm]
  oct 1.6x1.6 hole 0.8: 1(-1.75,0)
  round 1.6 hole 0.8: 2(1.75,0)
  silkscreen extent -4,-4 4,4, body extent -4.25,-4.25 4.25,4.25, height 13
"CAP: D10C5H16" [mm]
  oct 1.8x1.8 hole 1: 1(-2.5,0)
  round 1.8 hole 1: 2(2.5,0)
  silkscreen extent -5,-5 5,5, body extent -5.25,-5.25 5.25,5.25, height 17.55
"CON: 15EDGVC-3.5-10P-14-00AH" [mm] "Vertical PCB Header, pitch 3.5mm, 08p"
  round 2.1 hole 1.4: 1(-15.757,0.002) 2(-12.257,0.002) 3(-8.757,0.002) 4(-5.257,0.002) 5(-1.757,0.002) 6(1.743,0.002) 7(5.243,0.002) 8(8.743,0.002) 9(12.243,0.002) 10(15.743,0.002)
  round 0.5 on Top Overlay: ""(-17.507,-2.098)
  silkscreen extent -18.1,-3.92 18.11,3.47, body extent -17.84,-3.64 17.96,3.36, height 9.2
"CON: PBS-4" [mm] "PBS-5"
  oct 1.8x1.8 hole 1.1: 1(-3.81,0)
  round 1.8 hole 1.1: 2(-1.27,0) 3(1.27,0) 4(3.81,0)
  silkscreen extent -5.23,-1.4 5.2,1.4
CSX750FBC14745600T [mm]
  rect 1.8x2 smd: 1(-2.54,-2.1) 2(2.54,-2.1) 3(2.54,2.1) 4(-2.54,2.1)
  silkscreen extent -3.5,-3.75 3.5,2.5, body extent -3.5,-2.92 3.5,2.92, height 1.7
DB-1S [mm]
  rect 1.2x1.5 smd: 1(0,-10) 2(5,-10) 3(5,0) 4(0,0)
  silkscreen extent -1.8,-9.3 6.5,-2, body extent -2.07,-10.02 7.07,0.02, height 3.4
DIOM5236X261N [mm]
  rect 2.05x2.05 smd: 1(-2.15,0) 2(2.15,0)
  silkscreen extent -3.18,-1.8 2.59,1.8, body extent -2.59,-1.8 2.59,1.8, height 2.61
Dip_4pin [mm]
  round 1.8 hole 1.3 unplated: 1(0,0) 2(2.54,0) 3(5.08,0) 4(7.62,0) 5(7.62,7.62) 6(5.08,7.62) 7(2.54,7.62) 8(0,7.62)
  silkscreen extent -1.6,-0.92 -1.35,-0.68, body extent -2.51,-1.06 9.91,8.72, height 8.5
"FUSE: 1206" [mm]
  rect 1.3x1.8 smd: 1(-1.45,0) 2(1.45,0)
  silkscreen extent -2.3,-1.1 2.3,1.1, body extent -1.7,-0.85 1.7,0.85, height 0.51
HDR1X2 [mm]
  rect 1.5x1.5 hole 0.9: 1(0,0)
  round 1.5 hole 0.9: 2(2.54,0)
  silkscreen extent -1.27,-1.27 3.81,1.27
HDR1X6 [mm]
  rect 1.5x1.5 hole 0.9: 1(0,0)
  round 1.5 hole 0.9: 2(2.54,0) 3(5.08,0) 4(7.62,0) 5(10.16,0) 6(12.7,0)
  silkscreen extent -1.27,-1.27 13.97,1.27
INDC1608N [mm] "Chip Inductor, Body 1.6x0.8mm, IPC Medium Density"
  rect 1x1 smd: 1(-0.8,0) 2(0.8,0)
  silkscreen extent -1.6,-0.4 -1.6,0.4, body extent -0.77,-0.43 0.77,0.43, height 0.45
INDC4532AN [mm] "Chip Inductor, Body 4.5x3.2mm, IPC Medium Density"
  rect 1.3x3.4 smd: 1(-2.15,0) 2(2.15,0)
  silkscreen extent -1.1,-1.6 1.1,1.6, body extent -2.25,-1.6 2.25,1.6, height 1.75
INDPM102100X400N [mm]
  rect 2.2x3.05 smd: 1(-4.65,0) 2(4.65,0)
  silkscreen extent -5.1,-5 5.1,5, body extent -5.1,-5 5.1,5, height 4
KTT0005B [mm]
  rect 2.16x1.02 smd: 1(12.461,-3.4) 2(12.461,-1.7) 3(12.461,0) 4(12.461,1.7) 5(12.461,3.4)
  rect 1.91x1.235 smd: 6(-0.754,4.782) 6(-0.754,-4.782)
  rect 6.99x8.33 smd: 6(1.786,0)
  silkscreen extent 0.76,-5.08 14.68,5.08, body extent -1.11,-5.08 13.24,5.08, height 4.72
LEDC3216X110N [mm]
  rect 1x1.75 smd: 1(-1.55,0) 2(1.55,0)
  silkscreen extent -2.4,-1.22 -0.9,1.22
"MOD: SIP-4 (B0505S-1W)" [mm]
  round 1.4 hole 0.7: 1(0,0) 2(2.54,0) 3(5.08,0) 4(7.62,0)
  round 0.5 on Top Overlay: ""(-2.7,-1.1)
  silkscreen extent -2.2,-1.35 9.8,4.95, body extent -2.04,-1.2 9.64,4.8, height 10.2
QFP80P1600X1600X120-64N [mm]
  rect 1.5x0.6 smd: 1(-7.75,6) 2(-7.75,5.2) 3(-7.75,4.4) 4(-7.75,3.6) 5(-7.75,2.8) 6(-7.75,2) 7(-7.75,1.2) 8(-7.75,0.4) 9(-7.75,-0.4) 10(-7.75,-1.2) 11(-7.75,-2) 12(-7.75,-2.8) 13(-7.75,-3.6) 14(-7.75,-4.4) 15(-7.75,-5.2) 16(-7.75,-6) 33(7.75,-6) 34(7.75,-5.2) 35(7.75,-4.4) 36(7.75,-3.6) 37(7.75,-2.8) 38(7.75,-2) 39(7.75,-1.2) 40(7.75,-0.4) 41(7.75,0.4) 42(7.75,1.2) 43(7.75,2) 44(7.75,2.8) 45(7.75,3.6) 46(7.75,4.4) 47(7.75,5.2) 48(7.75,6)
  rect 0.6x1.5 smd: 17(-6,-7.75) 18(-5.2,-7.75) 19(-4.4,-7.75) 20(-3.6,-7.75) 21(-2.8,-7.75) 22(-2,-7.75) 23(-1.2,-7.75) 24(-0.4,-7.75) 25(0.4,-7.75) 26(1.2,-7.75) 27(2,-7.75) 28(2.8,-7.75) 29(3.6,-7.75) 30(4.4,-7.75) 31(5.2,-7.75) 32(6,-7.75) 49(6,7.75) 50(5.2,7.75) 51(4.4,7.75) 52(3.6,7.75) 53(2.8,7.75) 54(2,7.75) 55(1.2,7.75) 56(0.4,7.75) 57(-0.4,7.75) 58(-1.2,7.75) 59(-2,7.75) 60(-2.8,7.75) 61(-3.6,7.75) 62(-4.4,7.75) 63(-5.2,7.75) 64(-6,7.75)
  silkscreen extent -8.3,-6.65 6.65,7.4, body extent -8,-8 8,8, height 1.2
RESC1608N [mm] "Chip Resistor, Body 1.6x0.8mm, IPC Medium Density"
  rect 0.9x1 smd: 1(-0.85,0) 2(0.85,0)
  silkscreen extent -0.2,-0.4 0.2,0.4, body extent -0.77,-0.43 0.77,0.43, height 0.45
RESC3216N [mm] "Chip Resistor, Body 3.2x1.6mm, IPC Medium Density"
  rect 1.3x1.8 smd: 1(-1.45,0) 2(1.45,0)
  silkscreen extent -0.4,-0.8 0.4,0.8, body extent -1.68,-0.86 1.68,0.86, height 0.85
SM4T82AY [mm]
  rect 1.4x1.64 smd: 1(-2.015,0) 2(2.015,0)
  silkscreen extent -2.83,-1.29 2.54,1.29, body extent -2.55,-1.28 2.55,1.28, height 2.35
SOIC127P600X175-8N [mm]
  rect 1.528x0.65 smd: 1(-2.711,1.905) 2(-2.711,0.635) 3(-2.711,-0.635) 4(-2.711,-1.905) 5(2.711,-1.905) 6(2.711,-0.635) 7(2.711,0.635) 8(2.711,1.905)
  silkscreen extent -3.47,-2.45 1.6,2.58, body extent -3.01,-2.45 3.01,2.45, height 1.63
SOIC127P600X175-16N [mm]
  rect 1.525x0.65 smd: 1(-2.712,4.445) 2(-2.712,3.175) 3(-2.712,1.905) 4(-2.712,0.635) 5(-2.712,-0.635) 6(-2.712,-1.905) 7(-2.712,-3.175) 8(-2.712,-4.445) 9(2.712,-4.445) 10(2.712,-3.175) 11(2.712,-1.905) 12(2.712,-0.635) 13(2.712,0.635) 14(2.712,1.905) 15(2.712,3.175) 16(2.712,4.445)
  silkscreen extent -3.47,-4.95 1.6,5.12, body extent -3.01,-4.94 3.01,4.96, height 1.75
SOP254P1030X460-6N [mm]
  rect 1.5x1.6 smd: 1(-4.85,2.54) 2(-4.85,0) 3(-4.85,-2.54) 4(4.85,-2.54) 5(4.85,0) 6(4.85,2.54)
  silkscreen extent -5.65,-3.56 3.7,3.64, body extent -5.15,-3.56 5.15,3.56, height 4.6
SOP254P1030X508-8N [mm]
  rect 2.05x0.75 smd: 1(-4.575,3.81) 2(-4.575,1.27) 3(-4.575,-1.27) 4(-4.575,-3.81) 5(4.575,-3.81) 6(4.575,-1.27) 7(4.575,1.27) 8(4.575,3.81)
  silkscreen extent -5.6,-4.83 3.2,4.83, body extent -5.15,-4.83 5.15,4.83, height 5.08
SOT23-3N [mm] "SOT23, 3-Leads, Body 2.9x1.3mm, Pitch 0.95mm, Lead Span 2.5mm, IPC Medium Density"
  rect 1.5x0.6 smd: 1(-0.95,0.95) 2(-0.95,-0.95) 3(0.95,0)
  silkscreen extent -1.07,-1.5 0.7,1.92, body extent -1.5,-1.5 1.5,1.5, height 1.3
SOT95P237X112-3N [mil]
  rect 52x22 smd: 1(-43,37) 2(-43,-37)
  rect 52x20 smd: 3(43,0)
  silkscreen extent -28,-60 28,60, body extent -50,-57 50,57, height 40
SOT95P280X145-5N [mm]
  rect 1.2x0.6 smd: 1(-1.25,0.95) 2(-1.25,0) 3(-1.25,-0.95) 4(1.25,-0.95) 5(1.25,0.95)
  silkscreen extent -1.85,-1.45 0.3,1.5, body extent -1.4,-1.45 1.4,1.45, height 1.2